# Altium PCB ECU_FEST24_Rev1.PcbDoc (part 1 of 3) (continued)
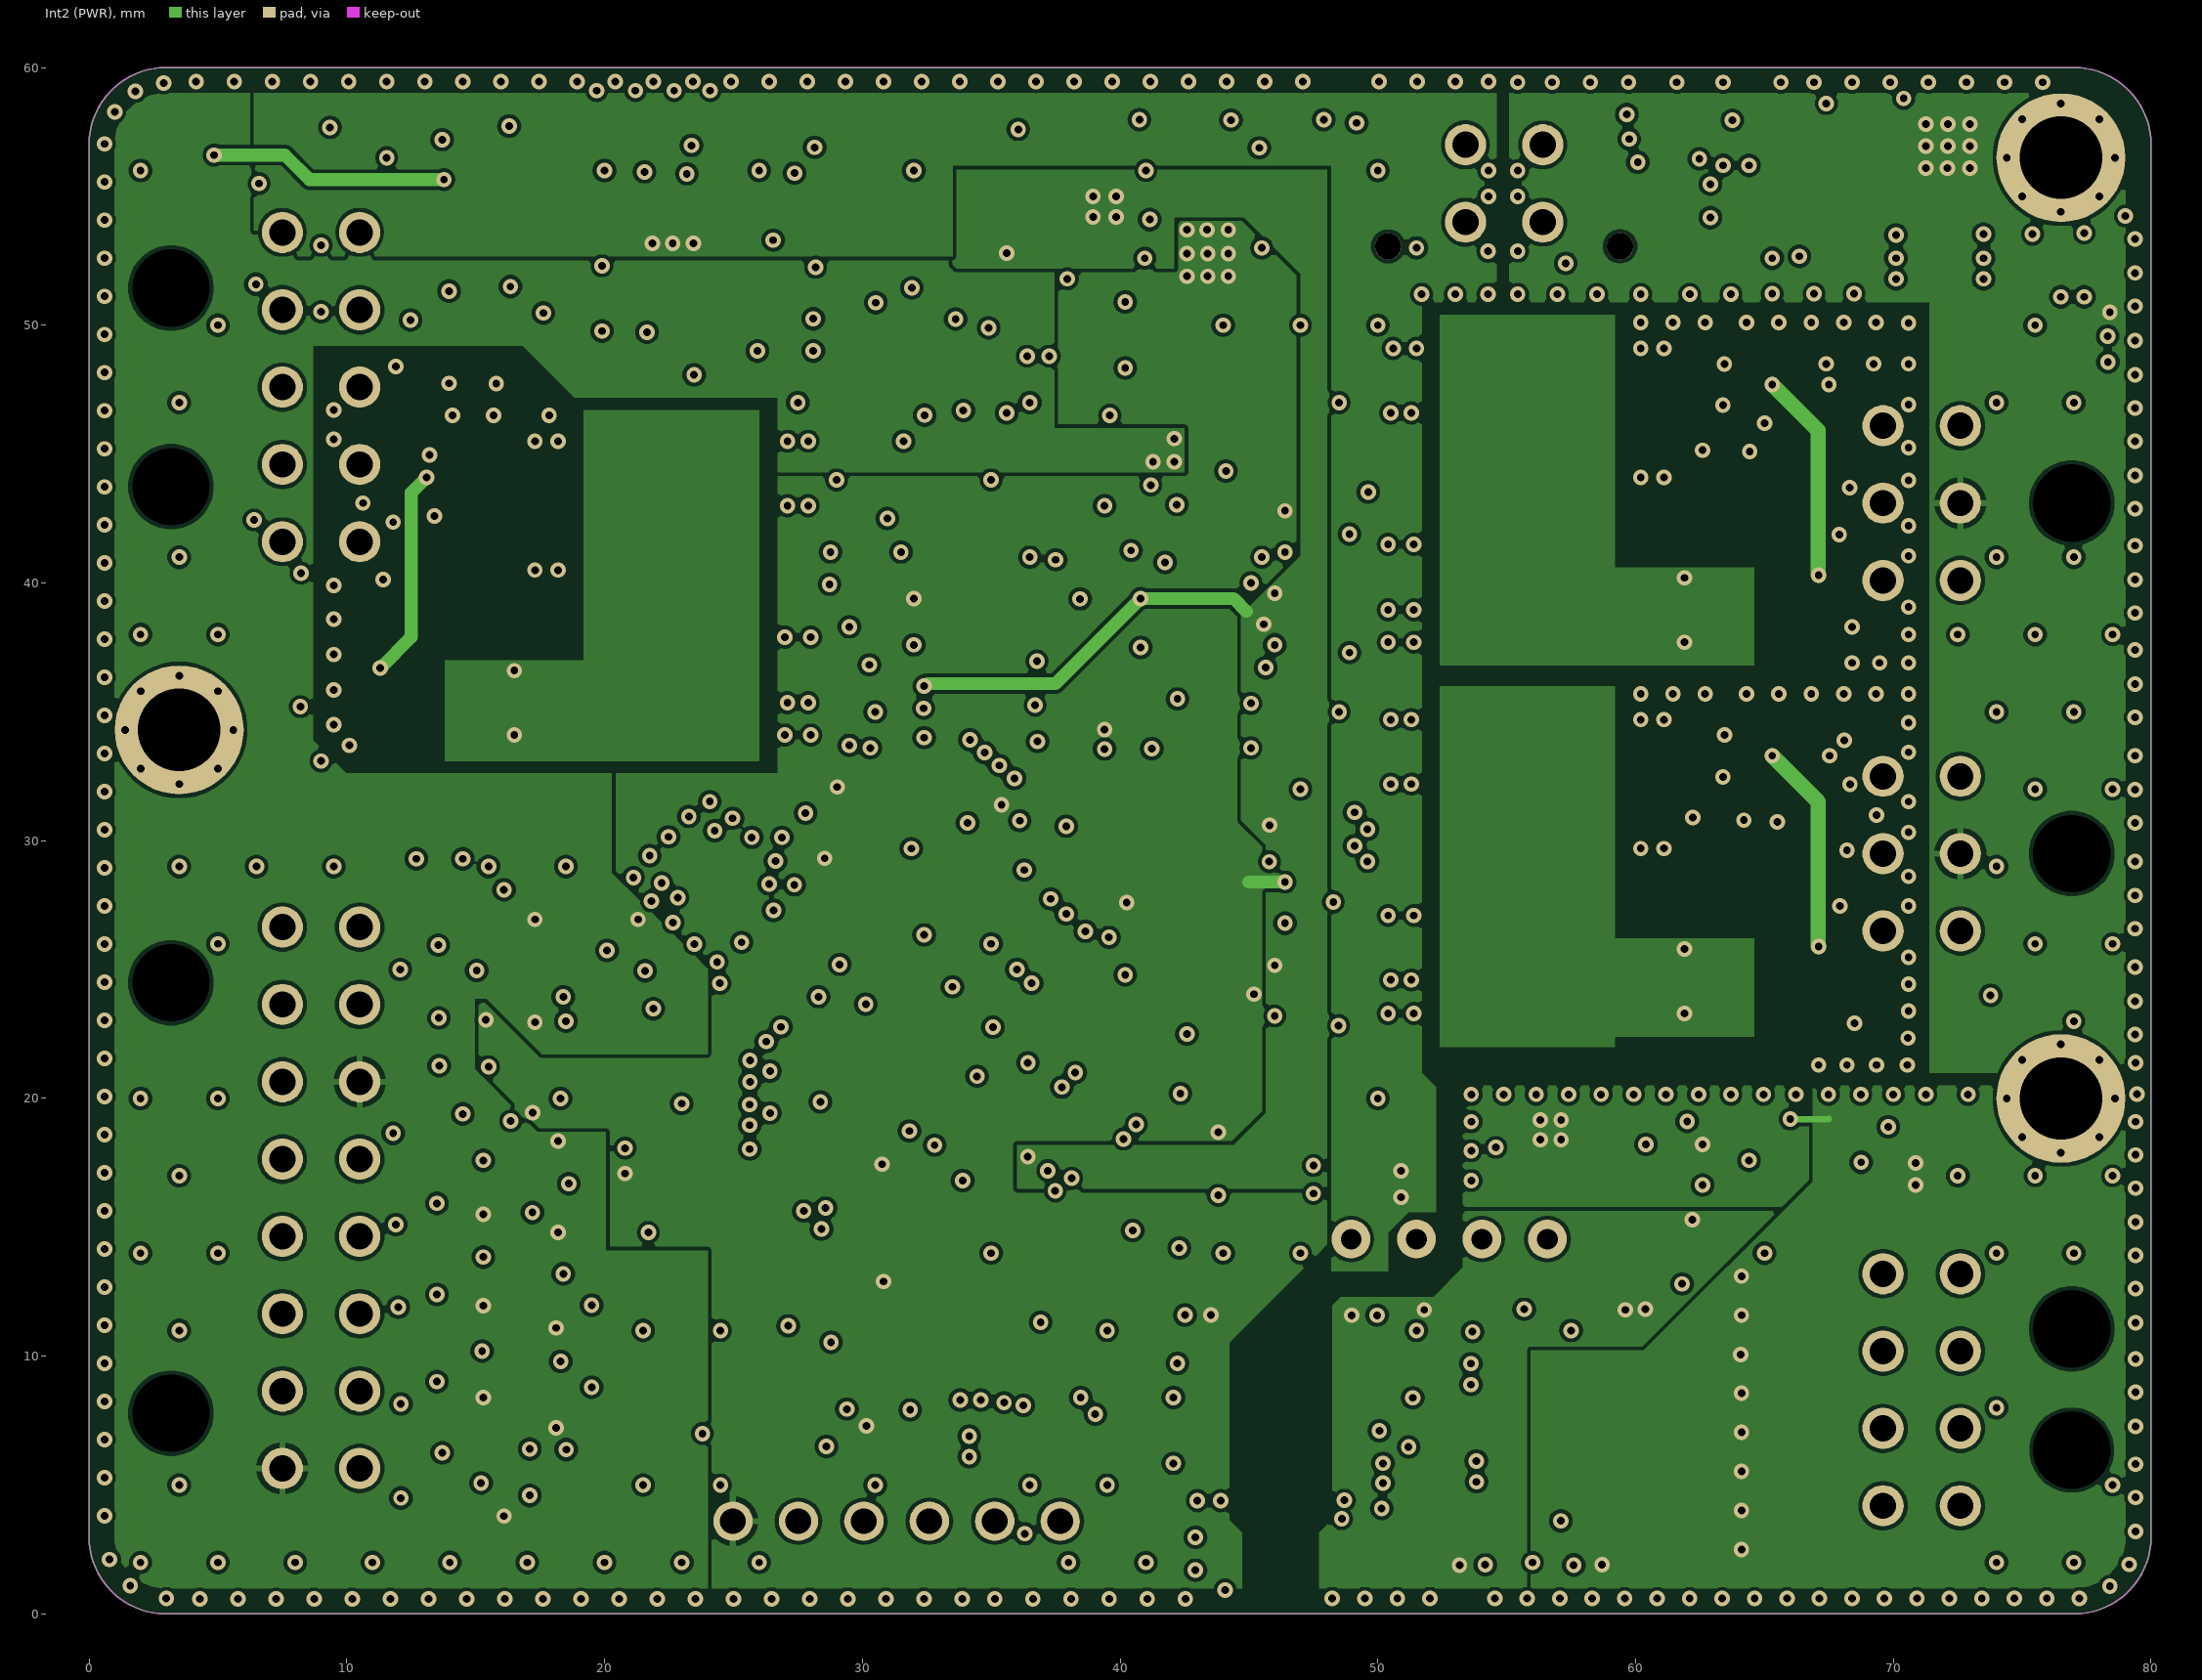
[diagram p3: Int2 (PWR)]
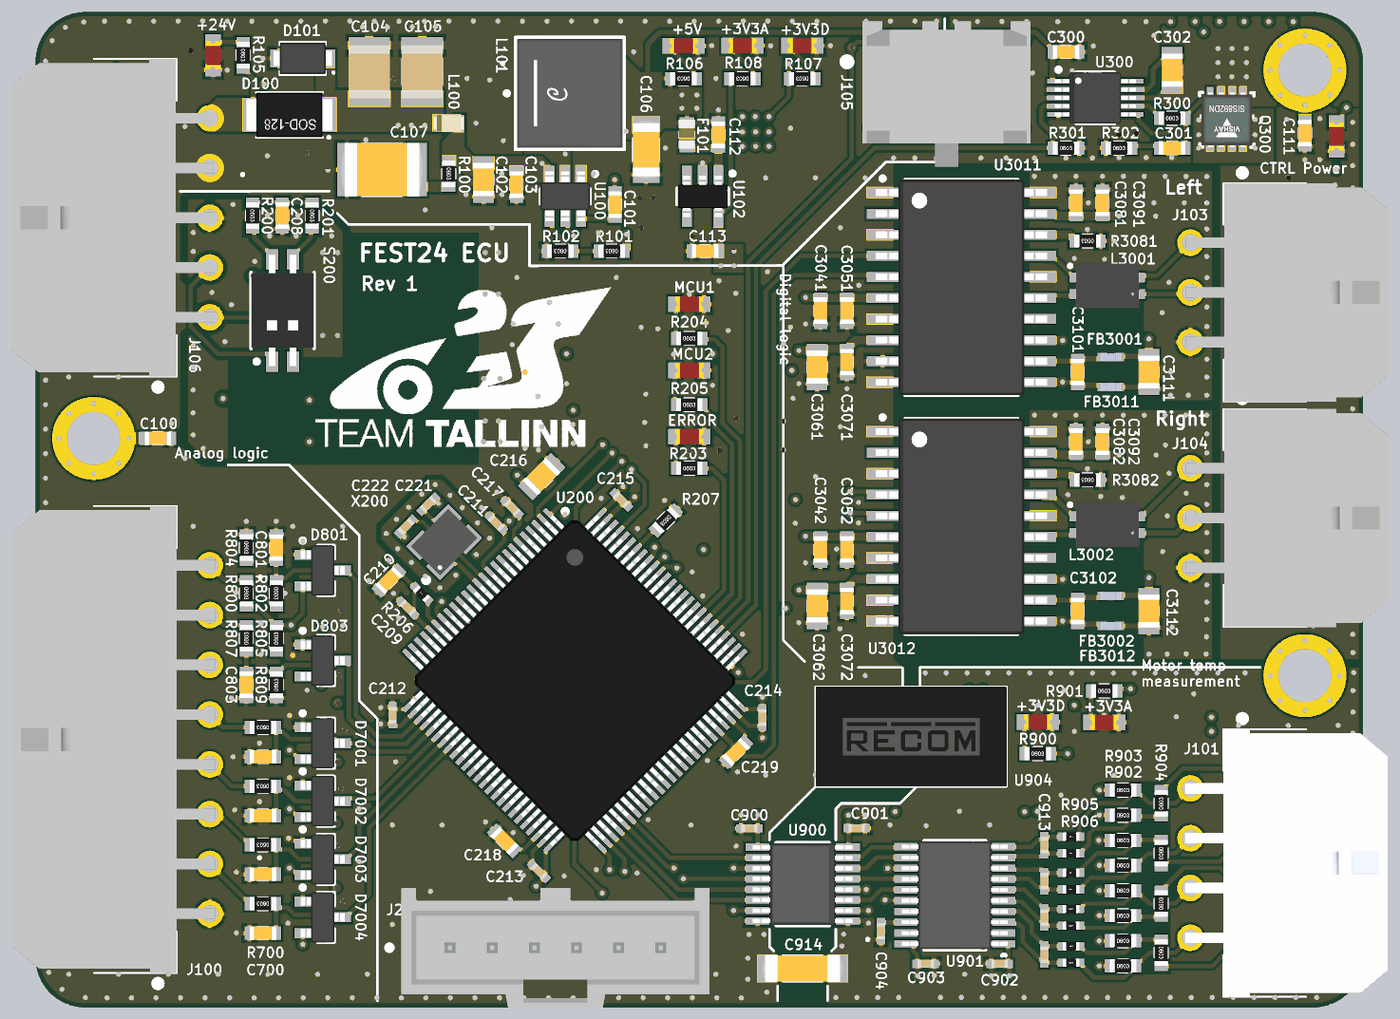
[diagram p6: 3D render of the assembled board from above, using the file's embedded part models]
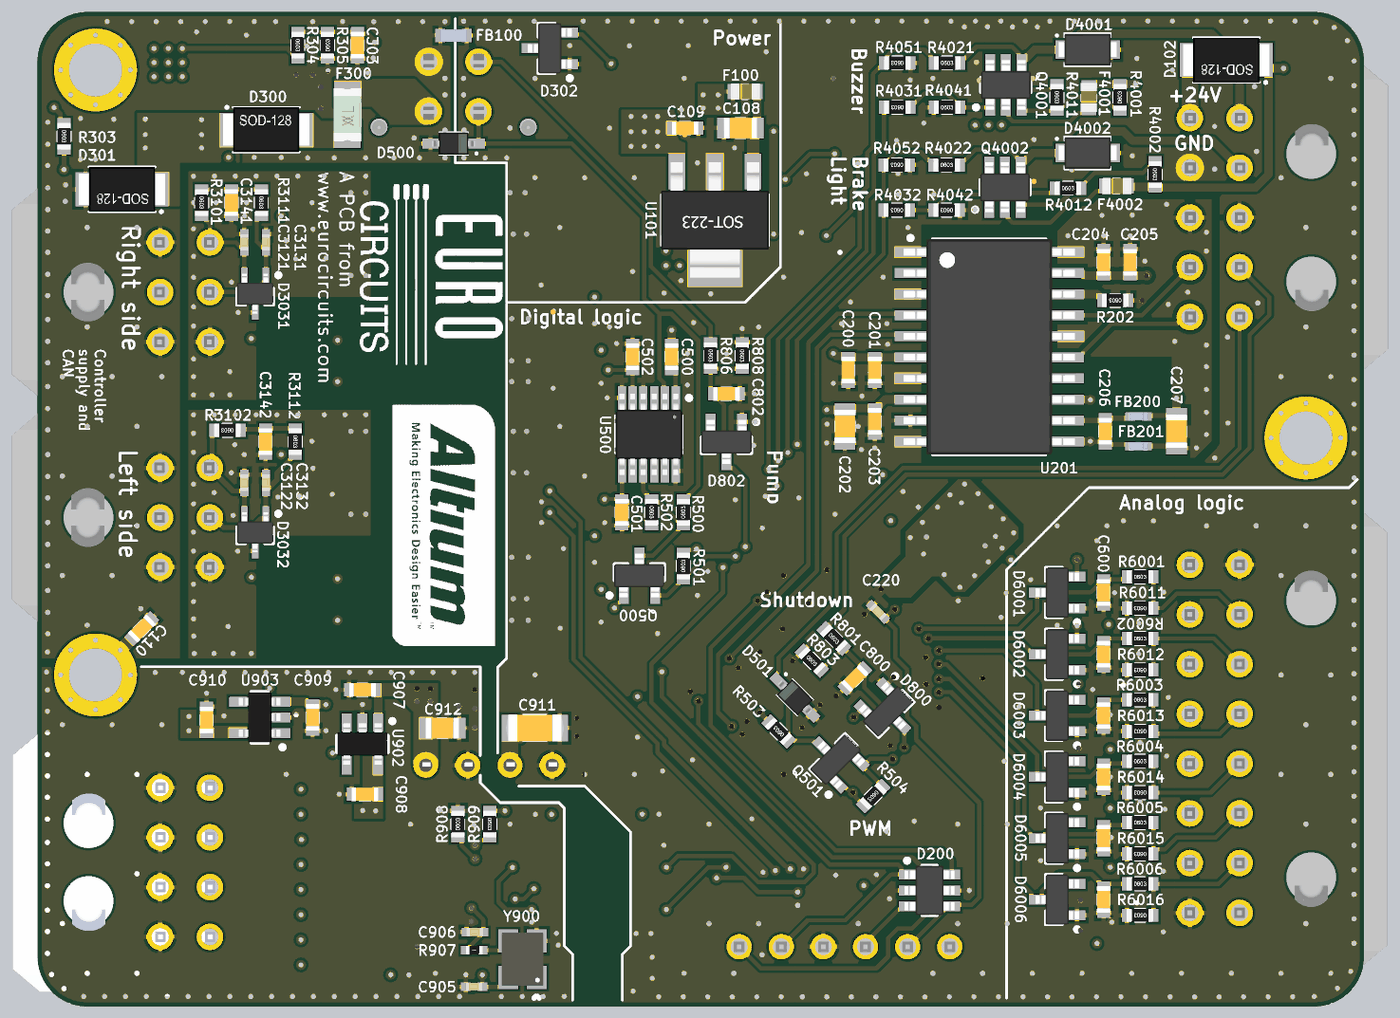
[diagram p7: 3D render of the assembled board from below, using the file's embedded part models]

## Layer stack, top to bottom
Top Solder: solder mask 0.0254, SM-001, Dk 4
Top Layer: signal copper 0.0175
Dielectric 1: prepreg 0.18, PP-017, Dk 4.3
Dielectric 2: prepreg 0.18, PP-017, Dk 4.3
Int1 (GND): signal copper 0.035
Core: core 0.71, Core-039, Dk 4.8
Int2 (PWR): signal copper 0.035
Dielectric 4: prepreg 0.18, PP-017, Dk 4.3
Dielectric 5: prepreg 0.18, PP-017, Dk 4.3
Bottom Layer: signal copper 0.0175
Bottom Solder: solder mask 0.0254, SM-001, Dk 4

## Board outline
3,0 cw(c3,3) 0,3 0,57 cw(c3,57) 3,60 77,60 cw(c77,57) 80,57 80,3 cw(c77,3) 77,0

## Design rules (kind name [scope] priority, off if disabled: settings)
BoardOutlineClearance [All] p1: gap=0.25 ignorepadtopadclearanceinfootprint=FALSE except(0: Arc-SplitContinuation Track-SplitContinuation SMDPad-SplitContinuation THPad-SplitContinuation Via-SplitContinuation Fill-SplitContinuation Poly-SplitContinuation Region-SplitContinuation Text-SplitContinuation)
Clearance Clearance_5 [InNamedPolygon('CAN_GND_L04_P107')] p1: gap=0.254 ignorepadtopadclearanceinfootprint=FALSE except(0: Arc-Hole Track-Hole SMDPad-Hole THPad-Hole Via-Hole Fill-Hole Poly-Hole Region-Hole Text-Hole; 0.5: Fill-Fill Fill-Poly Fill-Region Poly-Poly Poly-Region Region-Region)
Clearance Clearance_4 [InNamedPolygon('CAN_GND_L02_P007')] p2: gap=0.254 ignorepadtopadclearanceinfootprint=FALSE except(0: Arc-Hole Track-Hole SMDPad-Hole THPad-Hole Via-Hole Fill-Hole Poly-Hole Region-Hole Text-Hole; 0.5: Fill-Fill Fill-Poly Fill-Region Poly-Poly Poly-Region Region-Region)
Clearance Clearance_3 [InNamedPolygon('CAN_GND_L04_P001')] p3: gap=0.254 ignorepadtopadclearanceinfootprint=FALSE except(0: Arc-Hole Track-Hole SMDPad-Hole THPad-Hole Via-Hole Fill-Hole Poly-Hole Region-Hole Text-Hole; 0.5: Fill-Fill Fill-Poly Fill-Region Poly-Poly Poly-Region Region-Region)
Clearance Clearance_2 [InNamedPolygon('CAN_GND_L01_P006')] p4: gap=0.254 ignorepadtopadclearanceinfootprint=FALSE except(0: Arc-Hole Track-Hole SMDPad-Hole THPad-Hole Via-Hole Fill-Hole Poly-Hole Region-Hole Text-Hole; 0.5: Fill-Fill Fill-Poly Fill-Region Poly-Poly Poly-Region Region-Region)
Clearance Clearance_1 [InNamedPolygon('CAN_GND_L01_P006')] p5: gap=0.254 ignorepadtopadclearanceinfootprint=FALSE except(0: Arc-Hole Track-Hole SMDPad-Hole THPad-Hole Via-Hole Fill-Hole Poly-Hole Region-Hole Text-Hole)
Clearance [InNamedPolygon('CAN_GND_L01_P006')] p6: gap=0.254 ignorepadtopadclearanceinfootprint=FALSE except(0: Arc-Hole Track-Hole SMDPad-Hole THPad-Hole Via-Hole Fill-Hole Poly-Hole Region-Hole Text-Hole; 0.5: Fill-Fill Fill-Poly Fill-Region Poly-Poly Poly-Region Region-Region)
Clearance Clearance-xPP-xTP-xTT [All] p7: gap=0.15 ignorepadtopadclearanceinfootprint=FALSE except(0: Arc-Hole Track-Hole SMDPad-Hole THPad-Hole Via-Hole Fill-Hole Poly-Hole Region-Hole Text-Hole)
ComponentClearance [All] p1 off: gap=0.254 collisioncheckmode=3 verticalgap=0.254 showdistances=FALSE
DiffPairsRouting [All] p1: maxlimit=0.254 minlimit=0.254 mostfreqgap=0.254 toplayer_minwidth=0.381 toplayer_maxwidth=0.381 toplayer_prefwidth=0.381 midlayer1_minwidth=0.381 midlayer1_maxwidth=0.381 midlayer1_prefwidth=0.381 midlayer2_minwidth=0.381 midlayer2_maxwidth=0.381 midlayer2_prefwidth=0.381 bottomlayer_minwidth=0.381 bottomlayer_maxwidth=0.381 bottomlayer_prefwidth=0.381 filterlayerstackid={1B082251-D277-43BD-88FD-58C43487F612} maxuncoupledlength=12.5
Height [All] p1 off: minheight=0 maxheight=25.4 prefheight=12.7
HoleSize HoleSize-PTH [All] p1: absolutevalues=TRUE maxlimit=4 minlimit=0.25 maxpercent=80.000 minpercent=20.000
HoleToHoleClearance [All] p1: gap=0.35 allowstackedmicrovias=TRUE
MinimumAnnularRing "Minimum IAR  >0.45mm" [((ObjectKind = 'Pad') OR (ObjectKind = 'Via')) And (Layer = 'MultiLayer') And (HoleDiameter > AsMM(0.45))] p1: minimumring=0.15 // minimum inner annular ring for pads > 0.45mm finished hole size
MinimumAnnularRing "Minimum IAR <=0.45mm" [((ObjectKind = 'Pad') OR (ObjectKind = 'Via')) And (Layer = 'MultiLayer') And (HoleDiameter <= AsMM(0.45))] p2: minimumring=0.15 // minimum inner annular ring for pads <= 0.45mm finished hole size
MinimumSolderMaskSliver [All] p1: minsoldermaskwidth=0.075
PlaneClearance PlaneClearance-IPI [All] p1: clearance=0.2
PlaneConnect [All] p1: pad.planeconnectstyle=Relief pad.reliefexpansion=0.175 pad.reliefentries=4 pad.reliefconductorwidth=0.2 pad.reliefairgap=0.2 via.planeconnectstyle=Direct via.reliefexpansion=0.175 via.reliefentries=4 via.reliefconductorwidth=0.2 via.reliefairgap=0.2
PolygonConnect PolygonConnect-xTW [All] p1: thpad.connectstyle=Relief thpad.reliefconductorwidth=0.254 thpad.reliefentries=4 thpad.polygonreliefangle="90 Angle" thpad.airgapwidth=0.2 smdpad.connectstyle=Relief smdpad.reliefconductorwidth=0.254 smdpad.reliefentries=4 smdpad.polygonreliefangle="90 Angle" smdpad.airgapwidth=0.2 via.connectstyle=Direct via.reliefconductorwidth=0.2 via.reliefentries=4 via.polygonreliefangle="90 Angle" via.airgapwidth=0.2
RoutingCorners [All] p1: cornerstyle=45-Degree minsetback=2.5 maxsetback=2.5
RoutingVias [(ObjectKind = 'Via')] p1: holewidth=0.3 width=0.6 viastyle="Through Hole" minholewidth=0.25 minwidth=0.6 maxholewidth=0.45 maxwidth=0.8 viatemplateguid#1={FF874463-A069-4054-AFBF-372EBB75AA70} viatemplatename#1=v60h30m0mx0 // finishet hole size <= 0.45mm
SilkToSilkClearance [All] p1: silktosilkclearance=0.1
SilkToSolderMaskClearance SilkscreenOverComponentPads [IsPad] p1: minsilkscreentomaskgap=0.125 clearancetoexposedcopper=TRUE
SolderMaskExpansion SolderMaskExpansion_Via [IsVia] p1: expansion=0.102 istentingtop=TRUE
SolderMaskExpansion [All] p2: expansion=0.05 istentingtop=FALSE
UnRoutedNet [All] p1: checkbadconnections=TRUE
Width Width-xTW [All] p1: maxlimit=1.5 minlimit=0.15 preferedwidth=0.2
18 further rules are at their usual default settings.

## Classes and differential pairs
component class CAN: C200 C201 C202 C203 C204 C205 C206 C207 C208 FB200 FB201 R200 R201 R202 S200 U201
component class CAN_CTRL2: C3042 C3052 C3062 C3072 C3082 C3092 C3102 C3112 C3122 C3132 C3142 D3032 FB3002 FB3012 L3002 R3082 R3102 R3112 U3012
component class CAN_CTRL1: C3041 C3051 C3061 C3071 C3081 C3091 C3101 C3111 C3121 C3131 C3141 D3031 FB3001 FB3011 L3001 R3081 R3101 R3111 U3011
component class Debug: C209 C210 C211 C212 C213 C214 C215 C216 C217 C218 C219 C220 C221 C222 D200 ERROR200 J200 MCU200 MCU201 R203 R204 R205 R206 R207 X200
channel class CAN_CTRL: CAN_CTRL1 CAN_CTRL2
net class CTRL_CAN_TX[1..2]: CTRL_CAN_TX1 CTRL_CAN_TX2
net class CTRL_CAN_RX[1..2]: CTRL_CAN_RX1 CTRL_CAN_RX2
net class CTRL_CAN_L[1..2]: CTRL_CAN_L1 CTRL_CAN_L2
net class CTRL_CAN_H[1..2]: CTRL_CAN_H1 CTRL_CAN_H2
net class CTRL_CAN_GND[1..2]: CTRL_CAN_GND1 CTRL_CAN_GND2
channel class Wheatstone_bridge: Wheatstone_bridge1 Wheatstone_bridge2 Wheatstone_bridge3 Wheatstone_bridge4
channel class Temperature_inputs: Temperature_inputs1 Temperature_inputs2 Temperature_inputs3 Temperature_inputs4 Temperature_inputs5 Temperature_inputs6
channel class Switched_Power: "Switched Power1" "Switched Power2"
channel class LinearSensor_inputs: LinearSensor_inputs1 LinearSensor_inputs2 LinearSensor_inputs3 LinearSensor_inputs4
net class Temp[1..6]: Temp1 Temp2 Temp3 Temp4 Temp5 Temp6
net class Motor_Temp+[1..4]: Motor_Temp+1 Motor_Temp+2 Motor_Temp+3 Motor_Temp+4
net class MCU_Temp[1..6]: MCU_Temp1 MCU_Temp2 MCU_Temp3 MCU_Temp4 MCU_Temp5 MCU_Temp6
net class MCU_LinearSens[1..4]: MCU_LinearSens1 MCU_LinearSens2 MCU_LinearSens3 MCU_LinearSens4
net class LowPWR_Switch[1..2]: LowPWR_Switch1 LowPWR_Switch2
net class LowPWR_OUT[1..2]: LowPWR_OUT1 LowPWR_OUT2
net class LowPWR_Check[1..2]: LowPWR_Check1 LowPWR_Check2
net class LinearSens[1..4]: LinearSens1 LinearSens2 LinearSens3 LinearSens4
net class AIN_P[1..4]: AIN_P1 AIN_P2 AIN_P3 AIN_P4
net class AIN_N[1..4]: AIN_N1 AIN_N2 AIN_N3 AIN_N4
component class Wheatstone_bridge4: C9134 R9024 R9034 R9044 R9054 R9064
component class Wheatstone_bridge3: C9133 R9023 R9033 R9043 R9053 R9063
component class Wheatstone_bridge2: C9132 R9022 R9032 R9042 R9052 R9062
component class Wheatstone_bridge1: C9131 R9021 R9031 R9041 R9051 R9061
component class Temperature_inputs6: C6006 D6006 R6006 R6016
component class Temperature_inputs5: C6005 D6005 R6005 R6015
component class Temperature_inputs4: C6004 D6004 R6004 R6014
component class Temperature_inputs3: C6003 D6003 R6003 R6013
component class Temperature_inputs2: C6002 D6002 R6002 R6012
component class Temperature_inputs1: C6001 D6001 R6001 R6011
component class "Switched Power2": D4002 F4002 Q4002 R4002 R4012 R4022 R4032 R4042 R4052
component class "Switched Power1": D4001 F4001 Q4001 R4001 R4011 R4021 R4031 R4041 R4051
component class PWR_CTRL: 300 C300 C301 C302 C303 D300 D301 D302 F300 Q300 R300 R301 R302 R303 R304 R305 U300
component class Power: 100 101 102 103 C101 C102 C103 C104 C105 C106 C107 C108 C109 C112 C113 D100 D101 D102 F100 F101 L100 L101 R100 R101 R102 R105 R106 R107 R108 U100 U101 U102
component class Overview: C100 C110 C111 FB100 J100 J101 J103 J104 J105 J106 PTH100 PTH101 PTH102
component class "Motor Temp Measurement": C900 C901 C902 C903 C904 C905 C906 R907 R908 R909 U900 U901 Y900
component class MCU: U200
component class LinearSensor_inputs4: C7004 D7004 R7004
component class LinearSensor_inputs3: C7003 D7003 R7003
component class LinearSensor_inputs2: C7002 D7002 R7002
component class LinearSensor_inputs1: C7001 D7001 R7001
component class Isolated_Power: 900 901 C907 C908 C909 C910 C911 C912 C914 R900 R901 U902 U903 U904
component class DigiAnalog_Inputs: C800 C801 C802 C803 D800 D801 D802 D803 R800 R801 R802 R803 R804 R805 R806 R807 R808 R809
component class "Cooling control": C500 C501 C502 D500 D501 Q500 Q501 R500 R501 R502 R503 R504 U500

## Components (designator, comment, footprint, x,y, rotation, side; value= is the part's Value field where it differs from the comment)
100 "SMLE13EC8TT86" "LED [0603] 1608" 10.7,57.4 r90 top
101 "SMLE13EC8TT86" "LED [0603] 1608" 39.05,57.961 r180 top
102 "SMLE13EC8TT86" "LED [0603] 1608" 46.2,57.976 r180 top
103 "SMLE13EC8TT86" "LED [0603] 1608" 42.6,57.976 r180 top
300 "SMLE13EC8TT86" "LED [0603] 1608" 78.4,52.5 r90 top
900 "SMLE13EC8TT86" "LED [0603] 1608" 60.402,17.2 r180 top
901 "SMLE13EC8TT86" "LED [0603] 1608" 64.408,17.179 r180 top
C100 "0603" "CAP [0603] 1608" 7.373,34.3 r180 top
C101 "0,1uF, 25V, 0603" "CAP [0603] 1608" 34.921,48.392 r270 top
C102 "3,3uF, 50V, 0805" "CAP [0805] 2012" 27,49.9 r90 top
C103 "0,1uF, 50V, 0603" "CAP [0603] 1608" 28.981,49.602 r90 top
C104 "10uF, 50V, 1210" "CAP [1210] 3225" 20.1,56.4 r90 top
C105 "10uF, 50V, 1210" "CAP [1210] 3225" 23.3,56.4 r90 top
C106 "22uF, 10V, 1206" "CAP [1206] 3216" 36.8,51.7 r90 top
C107 "4,7uF, 50V, 1812" "CAP [1812] 4532" 20.879,50.5 r180 top
C108 "4,7uF, 16V, 0805" "CAP [0805] 2012" 37.599,53 r0 bottom
C109 "1uF, 16V, 0603" "CAP [0603] 1608" 40.944,53 r180 bottom
C110 "0603" "CAP [0603] 1608" 73.7,22.8 r135 bottom
C111 "0603" "CAP [0603] 1608" 76.5,52.7 r270 top
C112 "1uF, 16V, 0603" "CAP [0603] 1608" 41.151,52.604 r90 top
C113 "1uF, 16V, 0603" "CAP [0603] 1608" 40.349,45.592 r180 top
C200 "0,1uF, 16V, 0603" "CAP [0603] 1608" 31.1,38.4 r270 bottom
C201 "0,01uF, 16V, 0603" "CAP [0603] 1608" 29.5,38.4 r270 bottom
C202 "10uF, 16V, 0805" "CAP [0805] 2012" 31.3,35 r270 bottom
C203 "0,1uF, 16V, 0603" "CAP [0603] 1608" 29.5,35.3 r270 bottom
C204 "0,01uF, 16V, 0603" "CAP [0603] 1608" 15.7,44.9 r90 bottom
C205 "0,1uF, 16V, 0603" "CAP [0603] 1608" 14.1,44.9 r90 bottom
C206 "0,1uF, 16V, 0603" "CAP [0603] 1608" 15.6,34.7 r270 bottom
C207 "10uF, 16V, 0805" "CAP [0805] 2012" 11.3,34.7 r270 bottom
C208 "4,7nF, 16V, 0603" "CAP [0603] 1608" 14.87,47.732 r270 top
C209 "0,1uF, 16V, 0402" "CAP [0402] 1005" 22.424,24.084 r315 top
C210 "1uF, 16V, 0603" "CAP [0603] 1608" 21.3,25.746 r45 top
C211 "0,1uF, 16V, 0402" "CAP [0402] 1005" 27.762,29.211 r315 top
C212 "0,1uF, 16V, 0402" "CAP [0402] 1005" 21.51,17.61 r270 top
C213 "0,1uF, 16V, 0402" "CAP [0402] 1005" 30.343,8.2 r315 top
C214 "0,1uF, 16V, 0402" "CAP [0402] 1005" 43.8,17.468 r90 top
C215 "0,1uF, 16V, 0402" "CAP [0402] 1005" 35.293,30.6 r135 top
C216 "4,7uF, 16V, 0805" "CAP [0805] 2012" 30.5,32 r225 top
C217 "0,1uF, 16V, 0402" "CAP [0402] 1005" 28.717,30.13 r315 top
C218 "2,2uF, 16V, 0603" "CAP [0603] 1608" 28.257,10.048 r135 top
C219 "2,2uF, 16V, 0603" "CAP [0603] 1608" 42.223,15.4 r225 top
C220 "0,1uF, 16V, 0402" "CAP [0402] 1005" 29.3,23.8 r45 bottom
C221 "16pF, 25V, 0402" "CAP [0402] 1005" 23.661,30.329 r45 top
C222 "16pF, 25V, 0402" "CAP [0402] 1005" 22.318,28.998 r225 top
C300 "0,1uF, 16V, 0603" "CAP [0603] 1608" 62.1,57.6 r0 top
C301 "330nF, 50V, 0603" "CAP [0603] 1608" 68.5,51.8 r180 top
C302 "4,7uF, 50V, 0805" "CAP [0805] 2012" 68.5,56.5 r270 top
C303 "0,1uF, 25V, 0603" "CAP [0603] 1608" 60.7,58 r270 bottom
C500 "0,1uF, 16V, 0603" "CAP [0603] 1608" 41.757,39.2 r90 bottom
C501 "0,1uF, 16V, 0603" "CAP [0603] 1608" 44.757,29.815 r270 bottom
C502 "0,1uF, 16V, 0603" "CAP [0603] 1608" 44.107,39.2 r90 bottom
C800 "0,1uF, 16V, 0603" "CAP [0603] 1608" 30.7,19.8 r315 bottom
C801 "0603" "CAP [0603] 1608" 14.5,27.713 r90 top
C802 "0,1uF, 16V, 0603" "CAP [0603] 1608" 38.45,36.965 r180 bottom
C803 "0603" "CAP [0603] 1608" 12.7,19.449 r270 top
C900 "0,1uF, 16V, 0402" "CAP [0402] 1005" 43.019,10.8 r180 top
C901 "0,1uF, 16V, 0402" "CAP [0402] 1005" 49.49,10.805 r180 top
C902 "1uF, 16V, 0402" "CAP [0402] 1005" 58.1,2.628 r0 top
C903 "1uF, 16V, 0402" "CAP [0402] 1005" 53.65,2.628 r180 top
C904 "220nF, 16V, 0402" "CAP [0402] 1005" 50.953,4.598 r90 top
C905 "10nF, 16V, 0402" "CAP [0402] 1005" 53.668,1.19 r0 bottom
C906 "15pF, 16V, 0402" "CAP [0402] 1005" 53.619,4.487 r180 bottom
C907 "1uF, 16V, 0603" "CAP [0603] 1608" 60.402,19.1 r180 bottom
C908 "1uF, 16V, 0603" "CAP [0603] 1608" 60.25,12.8 r180 bottom
C909 "1uF, 16V, 0603" "CAP [0603] 1608" 63.4,17.439 r90 bottom
C910 "1uF, 16V, 0603" "CAP [0603] 1608" 69.8,17.289 r270 bottom
C911 "10uF, 50V, 1206" "CAP [1206] 3216" 50,16.801 r0 bottom